# Altium PCB PCB-watch.PcbDoc (continued)
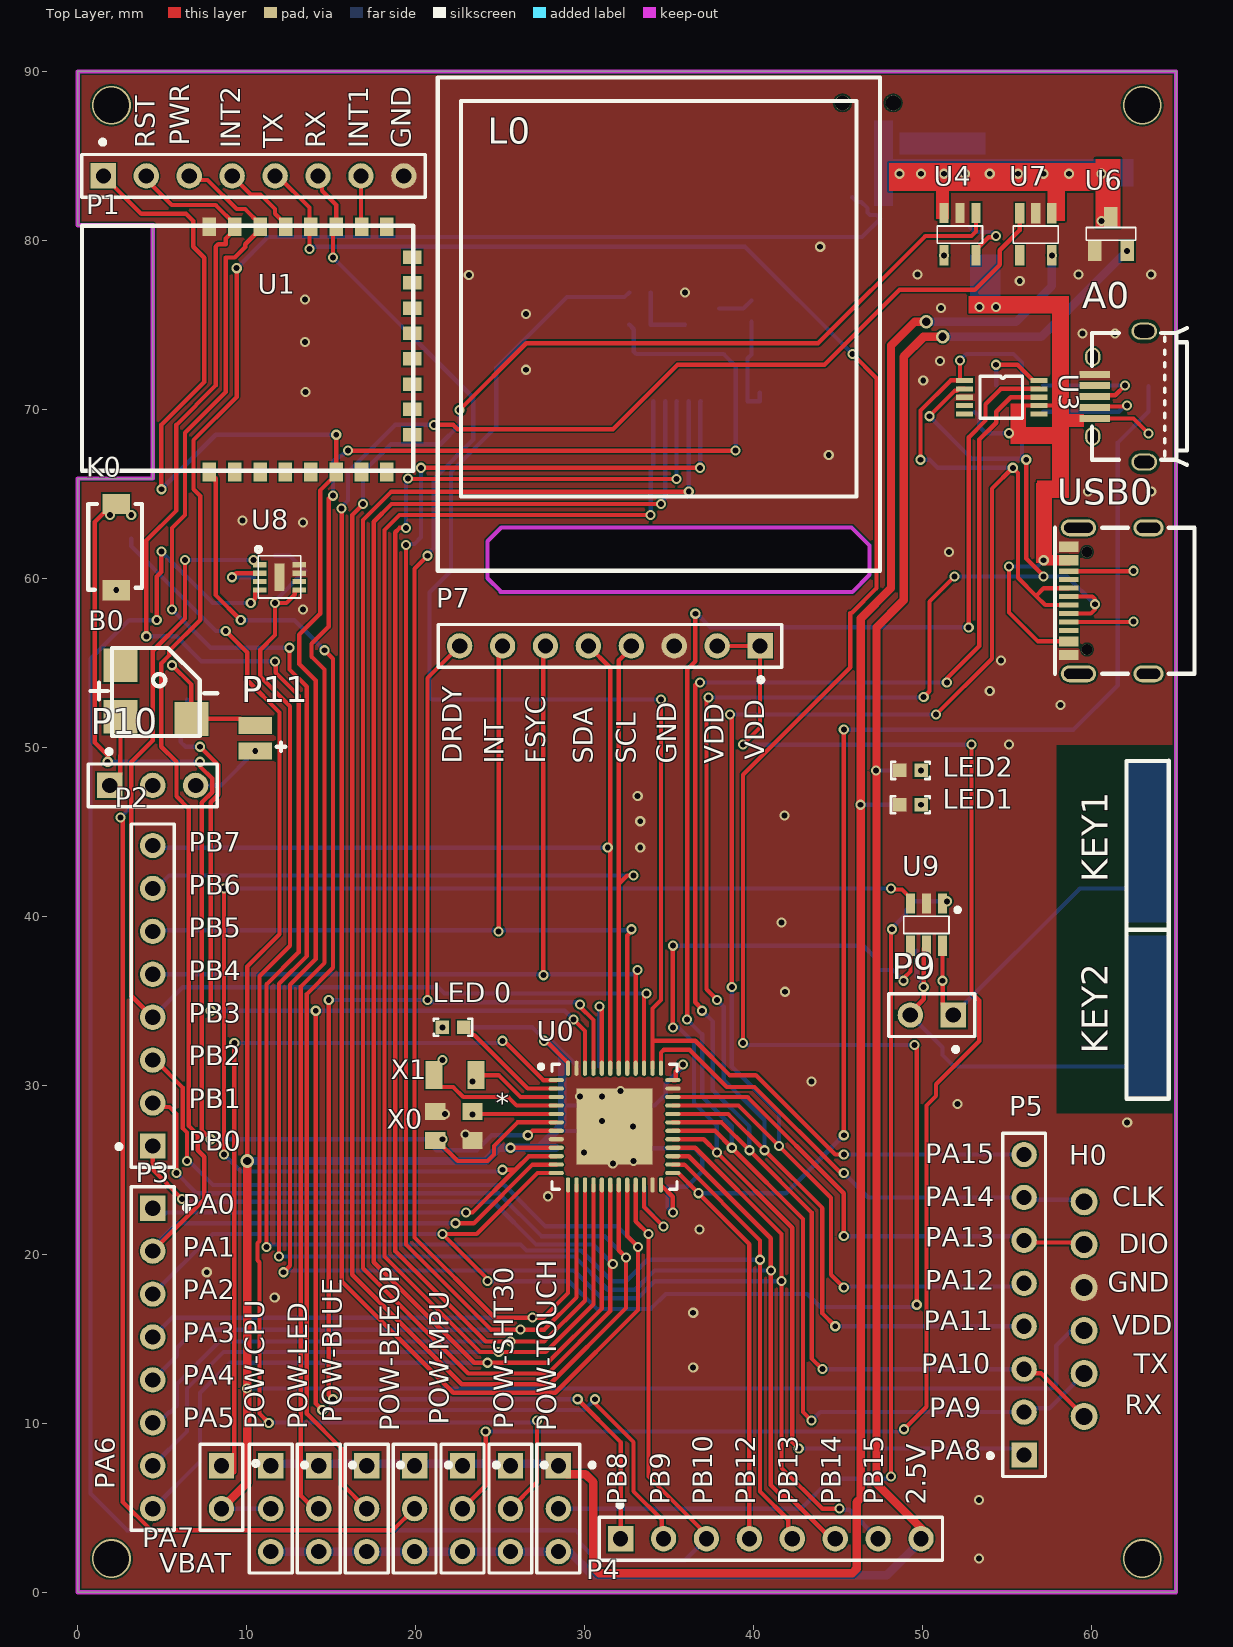
[diagram p0: Top Layer view]
## Nets (pads, with @x,y where several pads share a name; then routed paths per layer and width w, separated by ;. In a path a pad name is that pad's centre, name@x,y a point inside that pad or via, vN(x,y) a via of type N, cw(c..) or ccw(c..) an arc to the next point about the centre after c; other vN are vias at no path point) (continued)
  Bottom Layer w0.254: v1(38.608,51.943) v1(50.8,51.943) ; v1(38.711,35.814) 38.711,31.12 41.51,28.321 v1(41.51,26.416) ; v1(45.339,18.034) 45.405,18.1 55.819,18.1 P5.5 ; v1(49.883,67.022) 50.409,67.022 50.883,66.548 v1(55.34,66.548) ; v1@52.197,72.898 52.578,73.279 55.372,73.279 55.88,72.771 R9.1
EN-3.3: P2.3 U0.20 U7.3 | length 161.1
  Top Layer w0.254: P2.3 4.597,31.496 6.213,29.88 6.213,27.472 6.477,27.209 v1(6.477,25.527) ; v1(15.621,64.135) 15.621,59.563 15.621,18.415 22.225,11.811 28.259,11.811 33.156,16.708 v1(33.156,20.447) 32.521,21.082 U0.20 ; v1(21.082,69.088) 22.225,69.088 22.479,68.834 31.686,68.834 35.496,72.644 44.196,72.644 48.641,77.089 53.096,77.089 54.564,78.557 54.564,79.421 55.753,80.611 U7.3
  Bottom Layer w0.254: v1(6.477,25.527) 6.581,25.527 8.005,24.103 25.246,24.103 27.69,21.658 31.945,21.658 v1(33.156,20.447) ; v1(15.621,64.135) 15.621,64.229 16.002,64.61 16.002,66.294 18.796,69.088 v1(21.082,69.088)
GND: A0.5 C1.1 C2.1 C3.1 C4.1 C5.1 C6.1 C7.1 C8.1 C9.1 C10.1 C11.2 C12.1 C13.1 C14.1 C15.1 C16.1 C17.1 C18.1 C19.1 C20.1 H0.4 K0.2 L0.1 L0.5 L0.6 L0.12 LED1.2 LED2.2 P1.8 P7.3 P8.2 R2.2 R11.1 R13.2 R15.2 R16.1 R18.1 R111.1 R222.1 U0.8 U0.23 U0.35 U0.47 U0.49 U1.24 U2.2 U3.3 U4.2 U5.2 U6.1 U7.2 U8.7 U8.8 U8.9 U9.2 USB0.A1B12 USB0.B1A12 X0.2
  other v1: 53.34,2 53.34,5.471 36.426,13.312 36.426,16.544 11.661,17.456 7.643,18.942 36.801,21.477 27.83,23.437 31.67,25.371 32.893,25.527 29.972,26.035 22.95,27.105 32.859,27.563 62.108,27.813 31.021,27.901 21.742,28.313 52.07,28.901 29.718,29.337 31.021,29.337 32.131,29.678 43.434,30.225 41.87,35.544 41.656,39.651 33.293,44.069 33.293,45.63 41.82,45.974 33.143,47.117 55.118,50.165 58.166,52.506 53.975,53.34 54.634,55.153 13.339,58.166 2.286,59.309 51.562,61.566 13.339,63.309 9.756,63.428 59.779,65.138 63.529,65.138 44.45,67.31 13.485,71.03 50.038,71.723 26.543,72.352 51.031,72.858 13.462,74.001 59.474,74.487 61.398,74.487 26.543,75.655 51.088,76.001 13.462,76.501 35.941,76.925 55.753,77.597 23.149,77.95 49.709,77.978 59.234,77.978 63.529,77.978 43.942,79.629
key-1: P3.1 U0.10 U9.3 | length 99.4
  Top Layer w0.254: v1(8.658,25.908) v1(8.658,41.656) ; v1(22.987,22.479) 23.368,22.479 25.9,25.011 ; v1(25.146,25.011) 25.9,25.011 ; U0.10 26.702,25.813 25.9,25.011 ; v1(48.133,41.656) 48.199,41.59 48.783,41.59 49.281,41.092 U9.3
  Bottom Layer w0.254: P3.1@5.04,22.265 5.254,22.479 v1(22.987,22.479) ; v1(8.658,25.908) 9.666,24.9 25.035,24.9 v1(25.146,25.011) ; v1(8.658,41.656) v1(48.133,41.656)
key-2: P5.1 U0.29 U9.4 | length 66.5
  Top Layer w0.254: U0.29 37.051,26.813 v1(37.829,26.035) 42.291,21.573 42.291,8.89 v1(42.672,8.509) ; v1(35.221,33.434) v1(35.221,38.267) ; v1(48.879,36.195) 48.879,36.343 49.281,36.745 U9.4
  Bottom Layer w0.254: v1(35.221,33.434) 35.551,33.434 36.473,32.512 36.473,28.956 37.829,27.6 v1(37.829,26.035) ; v1(35.221,38.267) 46.49,38.267 47.244,37.513 47.244,36.979 47.393,36.83 48.244,36.83 v1(48.879,36.195) ; v1(42.672,8.509) 55.626,8.509 P5.1
LCD_BLK: P5.8 R7.2 U0.38 | length 91.4
  Top Layer w0.254: U0.38 34.021,32.639 ; v1@34.544,52.832 34.521,52.809 34.521,35.052 34.021,34.552 34.021,32.639 ; v1(45.339,25.908) 44.831,25.908 40.132,30.607 38.584,30.607 36.552,32.639 34.021,32.639
  Bottom Layer w0.254: R7.2 32.366,76.652 28.956,76.652 24.765,72.461 24.765,68.961 22.098,66.294 22.098,60.452 20.828,59.182 20.828,52.981 20.977,52.832 v1(34.521,52.832) ; v1(45.339,25.908) P5.8
LCD_CS: L0.8 P2.1 U0.18 | length 126.7
  Top Layer w0.254: P2.1 4.445,25.019 v1(6.183,23.28) ; U0.18 31.521,16.645 27.83,12.954 23.114,12.954 16.891,19.177 16.891,61.087 16.891,63.463 18.565,65.138 v1(36.163,65.138)
  Bottom Layer w0.254: v1(6.183,23.28) 6.35,23.114 24.59,23.114 27.119,20.585 30.516,20.585 v1(31.67,19.431) ; v1(36.163,65.138) L0.8@36.163,70.485
LCD_DC: L0.7 P3.5 U0.14 | length 109.9
  Top Layer w0.254: v1(19.431,61.976) 19.431,20.581 24.463,15.549 v1(26.208,15.549) 27.614,15.549 29.521,17.456 U0.14 ; v1(20.32,66.548) v1(36.83,66.548)
  Bottom Layer w0.254: P3.5 5.877,14.005 5.877,14.478 6.947,15.549 v1(26.208,15.549) ; v1(19.431,61.976) 19.497,62.042 19.925,62.042 20.32,62.437 v1(20.32,66.548) ; v1(36.83,66.548) 36.851,66.569 36.851,70.464 L0.7@36.872,70.485
LCD_RES: L0.11 P3.7 U0.16 | length 113.6
  Top Layer w0.254: U0.16 30.521,17.049 27.696,14.224 v1(24.916,14.224) 23.814,14.224 18.161,19.877 18.161,61.341 18.161,62.865 19.05,63.754 v1(33.909,63.754)
  Bottom Layer w0.254: P3.7 6.477,9.525 6.477,12.065 8.636,14.224 v1(24.916,14.224) ; v1(33.909,63.754) 33.909,66.402 34.065,66.558 L0.11@34.065,70.485
LCD_SCL: L0.9 P3.6 U0.15 | length 112
  Top Layer w0.254: v1(19.431,62.992) 19.05,62.992 18.796,62.738 18.796,60.071 18.796,20.193 24.147,14.842 v1(25.612,14.842) 27.607,14.842 30.021,17.256 U0.15 ; v1(19.558,65.913) 19.582,65.889 v1(35.433,65.889)
  Bottom Layer w0.254: P3.6 4.782,10.033 5.409,10.66 5.488,10.66 5.877,11.049 5.877,12.338 8.38,14.842 v1(25.612,14.842) ; v1(19.431,62.992) 19.431,65.786 v1(19.558,65.913) ; v1(35.433,65.889) 35.443,65.9 35.443,70.475 L0.9@35.454,70.485
LCD_SDA: L0.10 P3.8 U0.17 | length 117.8
  Top Layer w0.254: U0.17 31.021,16.797 27.813,13.589 v1(24.257,13.589) 23.473,13.589 17.526,19.536 17.526,61.087 17.526,63.356 18.579,64.409 34.501,64.409 v1@34.521,64.389
  Bottom Layer w0.254: P3.8 7.239,7.747 7.239,11.811 9.017,13.589 v1(24.257,13.589) ; v1(34.521,64.409) 34.521,64.503 34.765,64.747 L0.10@34.765,70.485
LED: "LED 0.2" U0.2 | length 7
  Top Layer w0.254: 22.856,33.528 23.401,32.983 23.469,32.983 26.639,29.813 U0.2
LEDK: L0.2 L0.3 R8.1 | length 6
  Bottom Layer w0.254: R8.1 39.878,73.258 39.646,73.026 39.646,70.485 40.317,70.485 L0.2@40.365,70.533 ; L0.2@40.365,70.485 L0.2@40.365,70.533 ; L0.2@40.365,70.993 L0.2@40.365,70.533
MPU_DRDY: P4.1 P7.8 U0.45 | length 88.3
  Top Layer w0.254: v1(14.859,35.052) 14.859,11.684 v1(15.113,11.43) ; v1(20.701,35.052) 20.701,54.102 P7.8 ; v1(29.591,11.43) 32.131,8.89 P4.1 ; v1(29.718,34.798) 29.718,34.671 30.521,33.868 U0.45
  Bottom Layer w0.254: v1(14.859,35.052) v1(20.701,35.052) 20.828,34.925 29.591,34.925 v1(29.718,34.798) ; v1(15.113,11.43) v1(29.591,11.43)
MPU_FSYC: P2.5 P7.6 U0.40 | length 54.2
  Top Layer w0.254: v1(27.559,36.522) 27.559,55.88 P7.6 ; U0.40 33.021,36.629 33.128,36.736 v1(33.128,36.83)
  Bottom Layer w0.254: P2.5 32.874,36.576 v1(33.128,36.83)
MPU_INT: P2.6 P7.7 U0.41 | length 53.7
  Top Layer w0.254: v1(24.914,39.116) 24.914,55.775 P7.7 ; U0.41 32.521,38.871 v1@32.893,39.243
  Bottom Layer w0.254: P2.6 4.508,39.179 32.703,39.179 v1(32.766,39.243)
MPU_SCL: P2.7 P7.4 U0.42 | length 55.1
  Top Layer w0.254: U0.42 32.021,41.918 ; P7.4 32.766,55.898 32.021,55.153 32.021,41.918 ; v1(32.893,42.418) 32.521,42.418 32.021,41.918
  Bottom Layer w0.254: P2.7 4.653,41.656 5.415,42.418 v1(32.893,42.418)
MPU_SDA: P2.8 P7.5 U0.43 | length 52.5
  Top Layer w0.254: P7.5 31.521,54.712 U0.43
  Bottom Layer w0.254: P2.8 4.572,44.069 v1(31.369,44.069)
NetA0_2: A0.2 R10.2 | length 7
  Top Layer w0.254: A0.2@60.234,70.119 60.29,70.175 62.047,70.175 v1(62.103,70.231)
  Bottom Layer w0.254: R10.2 61.611,69.866 61.976,70.231 v1(62.103,70.231)
NetA0_3: A0.3 R9.2 | length 6.8
  Top Layer w0.254: A0.3@60.234,70.769 60.307,70.842 61.398,70.842 v1(61.976,71.42)
  Bottom Layer w0.254: R9.2 v1(61.976,71.42)
NetB0_1: B0.1 P10.1 | length 4.3
  Top Layer w0.254: P10.1 2.528,48.375 2.528,49.518 2.54,49.53 B0.1
NetB0_2: B0.2 P11.2 U5.3 | length 7.6
  Top Layer w0.254: v1(5.588,54.864) 6.731,53.721 B0.2 9.632,51.689 10.013,51.308 P11.2
NetC12_2: C12.2 U3.10 | length 4.1
  Top Layer w0.254: v1(54.356,72.644) 55.625,72.644 56.546,71.723 U3.10
  Bottom Layer w0.254: C12.2 v1(54.356,72.644)
NetC18_2: C18.2 P9.1 U9.6 | length 20.4
  Top Layer w0.254: U9.6 v1(51.181,36.195) 51.193,36.183 51.193,34.786 P9.1
  Bottom Layer w0.254: v1@51.181,36.416 C18.2 ; P9.1 59.309,41.656 63.155,41.656
NetC19_2: C19.2 P9.2 U9.5 | length 22.5
  Top Layer w0.254: P9.2@49.276,33.909 P9.2 49.276,34.313 50.067,35.104 v1(50.067,35.814) 50.067,38.103 U9.5
  Bottom Layer w0.254: P9.2 51.181,32.258 51.181,31.798 51.859,31.12 63.119,31.12 ; C19.2 49.657,36.416 50.067,36.005 v1(50.067,35.814)
NetLED1_1: LED1.1 R21.1
  other v1: 49.911,46.609
NetLED2_1: LED2.1 R22.1
  other v1: 49.916,48.641
"NetLED 0_1": "LED 0.1" R3.1
  other v1: 21.586,33.434
NetP8_1: P8.1 SW0.3
NetP10_3: P10.3 P11.1 | length 4.4
  Bottom Layer w0.254: P10.3 8.481,47.752 v1(10.513,49.784)
NetR6_2: R6.2 R7.1 U2.1 | length 3.9
  Bottom Layer w0.254: R7.1 R6.2 U2.1
NetR8_2: R8.2 U2.3 | length 2.1
  Bottom Layer w0.254: U2.3 39.394,75.97 R8.2
NetR11_2: R11.2 U4.5 | length 3.6
  Top Layer w0.254: U4.5 53.163,79.446 53.915,80.198 54.29,80.198 v1(54.356,80.264)
  Bottom Layer w0.254: R11.2 53.086,80.499 54.121,80.499 v1(54.356,80.264)
NetR12_2: R12.2 U4.4
  other v1: 51.263,79.121
NetR18_2: R18.2 U8.2 | length 3
  Top Layer w0.254: v1(9.144,60.071) 9.382,60.309 U8.2
  Bottom Layer w0.254: v1(9.144,60.071) R18.2
NetR111_2: R111.2 USB0.A5 | length 3.8
  Top Layer w0.254: USB0.A5 62.455,57.426 v1(62.484,57.455)
NetR222_2: R222.2 USB0.B5 | length 3.8
  Top Layer w0.254: USB0.B5 62.458,60.426 v1(62.484,60.452)
NetU0_1: U0.1 VBAT.1 | length 45.5
  Top Layer w0.254: 9.271,7.112 v1(9.271,32.512) ; v1(25.146,32.639) 25.231,32.639 27.557,30.313 U0.1
  Bottom Layer w0.254: v1(9.271,32.512) 25.019,32.512 v1(25.146,32.639)
NRST: C1.2 K0.1 R1.1 U0.7 | length 66
  Top Layer w0.254: v1(1.778,49.149) 1.778,49.53 1.016,50.292 1.016,63.339 2.086,64.409 K0.1 ; v1(7.239,49.149) 7.239,48.88 7.962,48.157 7.962,47.347 7.347,46.732 7.347,27.34 v1(7.874,26.813) ; v1(26.639,27.051) 26.654,27.051 26.916,27.313 U0.7
  Bottom Layer w0.254: v1(1.778,49.149) v1(7.239,49.149) ; v1(7.874,26.813) 20.58,26.813 21.223,26.17 23.63,26.17 24.511,27.051 v1(26.639,27.051)
  other v1: 1.905,63.754 3.175,63.754
PA2: P1.5 P3.3 U0.12 U1.20 | length 168
  Top Layer w0.254: P1.5 11.843,83.82 13.716,81.947 v1(13.716,79.502) ; v1(24.257,18.415) 24.257,18.538 v1(21.586,21.209) 23.614,21.209 27.218,24.813 U0.12 ; v1(39.37,32.512) 39.37,48.387 45.72,54.737 45.72,57.956 45.805,57.956 47.275,59.426 47.275,71.851 v1(45.847,73.279) 45.783,73.343 v1@45.72,73.343 ; v1(49.53,32.385) 49.657,32.258 v1(49.657,17.018)
  Bottom Layer w0.254: P3.3 8.001,21.209 v1(21.586,21.209) ; v1@13.806,79.629 39.497,79.629 v1(45.847,73.279) ; v1(24.257,18.415) 29.083,18.415 30.734,16.764 33.909,16.764 34.798,17.653 43.18,17.653 43.942,16.891 49.53,16.891 v1(49.657,17.018) ; v1(39.37,32.512) 39.497,32.385 v1(49.53,32.385)
PA3: P1.6 P3.4 U0.13 U1.19 | length 109.2
  Top Layer w0.254: P1.6 14.462,83.582 14.462,82.947 15.306,82.103 U1.19 15.113,80.62 v1(15.113,78.994) ; v1(20.701,61.341) 19.939,60.579 19.939,21.005 24.688,16.256 v1(26.916,16.256) 27.559,16.256 29.021,17.718 U0.13
  Bottom Layer w0.254: P3.4 5.588,16.256 v1(26.916,16.256) ; v1(15.113,78.994) 23.415,70.692 23.415,68.223 21.082,65.889 21.082,61.816 20.701,61.435 v1(20.701,61.341)
PA9: H0.2 P5.2 U0.30 U3.9 | length 105.9
  Top Layer w0.254: U0.30 37.711,27.313 v1(38.711,26.313) 42.926,22.098 42.926,10.668 v1(43.434,10.16) ; v1(36.068,33.909) 36.068,54.61 36.552,55.094 v1(36.552,57.912) ; v1(52.729,57.106) 52.729,68.35 53.721,69.342 53.721,70.31 54.634,71.223 U3.9
  Bottom Layer w0.254: v1(36.068,33.909) 36.957,33.02 36.957,29.337 38.711,27.583 v1(38.711,26.313) ; v1(36.552,57.912) 36.646,57.912 37.452,57.106 v1(52.729,57.106) ; v1(43.434,10.16) 43.942,10.668 P5.2 56.232,10.893 57.502,10.893 H0.2
PA10: H0.1 P5.3 U0.31 U3.8 | length 100.4
  Top Layer w0.254: U0.31 38.1,27.813 v1(39.751,26.162) 43.434,22.479 43.434,13.843 v1(44.069,13.208) ; v1@36.703,53.848 36.552,53.697 36.552,34.916 36.957,34.511 v1(36.957,34.417) ; v1(51.435,53.848) 51.435,54.073 53.359,55.997 53.359,68.218 54.356,69.215 54.356,69.866 55.213,70.723 U3.8 ; P5.3 56.245,12.97 57.007,12.97 H0.1
  Bottom Layer w0.254: v1(36.83,53.848) v1(51.435,53.848) ; v1(36.957,34.417) 37.592,33.782 37.592,29.718 39.751,27.559 v1(39.751,26.162) ; v1(44.069,13.208) P5.3
PA13: H0.5 P5.6 U0.34 | length 29.4
  Top Layer w0.254: U0.34 39.648,29.313 45.339,23.622 v1(45.339,21.082) ; P5.6 56.134,20.701 59.436,20.701 H0.5
  Bottom Layer w0.254: v1(45.339,21.082) 55.753,21.082 P5.6
PA14: H0.6 P5.7 U0.37 | length 29.8
  Top Layer w0.254: U0.37 34.521,31.939 34.692,32.11 36.216,32.11 38.417,29.909 40.06,29.909 45.156,24.813 v1(45.339,24.813)
  Bottom Layer w0.254: v1(45.339,24.813) 46.784,23.368 P5.7 56.134,23.241 59.436,23.241 H0.6
PB1: P2.2 U0.19 U4.1 | length 153.6
  Top Layer w0.254: P2.2 4.683,28.718 5.437,28.718 5.842,28.313 v1(5.842,24.813) ; v1@16.891,64.389 16.256,63.754 16.256,18.796 22.733,12.319 27.94,12.319 32.449,16.828 v1(32.449,19.812) 32.021,20.24 U0.19 ; v1(22.606,69.977) 26.543,73.914 43.815,73.914 50.165,80.264 52.9,80.264 53.163,80.527 U4.1
  Bottom Layer w0.254: v1(5.842,24.813) 7.033,23.622 24.909,23.622 27.449,21.082 31.179,21.082 v1(32.449,19.812) ; v1(16.891,64.409) 16.891,66.294 18.542,67.945 21.463,67.945 22.606,69.088 v1(22.606,69.977)
PB3: P2.4 R20.2 U0.39 U8.1 | length 67.5
  Top Layer w0.254: P2.4 3.175,35.306 3.175,49.137 4.445,50.407 4.445,55.723 6.357,57.635 v1(6.357,61.087) ; U0.39 33.521,35.299 v1(33.655,35.433)
  Bottom Layer w0.254: P2.4 6.223,35.814 21.332,35.814 21.713,35.433 v1(33.655,35.433) ; v1(6.357,61.087) v1(10.414,61.087)
PB10: P4.3 R19.2 U0.21 U8.4 | length 127.9
  Top Layer w0.254: v1(4.683,57.531) 4.683,60.115 4.953,60.385 v1(4.953,61.595) ; v1(10.245,58.547) 10.49,58.792 10.49,59.286 10.513,59.309 U8.4 ; U0.21 33.021,21.963 33.775,21.209 v1(33.782,21.209) 33.782,6.858 37.211,3.429 P4.3
  Bottom Layer w0.254: v1(4.683,57.531) 3.048,57.531 0.762,55.245 0.762,5.842 2.921,3.683 29.464,3.683 29.718,3.429 29.718,2.921 30.734,1.905 35.941,1.905 P4.3 ; v1(4.953,61.595) 8.001,58.547 v1(10.245,58.547) R19.2
PB12: P4.4 R14.2 R15.1 U0.25 | length 93.5
  Top Layer w0.254: U0.25 35.542,24.813 v1(36.733,23.622) 39.751,20.604 P4.4 ; v1(45.339,27.051) v1(45.339,51.054)
  Bottom Layer w0.254: v1(36.733,23.622) 41.91,23.622 v1(45.339,27.051) ; v1(45.339,51.054) 58.928,51.054 61.557,53.683 61.557,68.05 R14.2 R15.1
PB13: P1.2 P4.5 U0.26 U1.23 | length 133.4
  Top Layer w0.254: v1(4.064,56.576) 4.064,62.245 5.842,64.023 5.842,69.088 8.167,71.413 8.167,79.628 8.315,79.777 8.763,79.777 8.763,80.12 9.306,80.664 U1.23 9.306,80.964 8.167,82.103 5.573,82.103 4.302,83.374 P1.2@4.302,83.582 ; v1(11.176,20.447) 11.176,35.978 13.078,37.88 13.078,53.065 11.73,54.413 11.73,55.048 v1(11.684,55.094) ; U0.26 35.223,25.311 35.903,25.311 40.386,20.828 v1(40.386,19.685) 40.386,5.969 42.053,4.302 42.053,3.413 P4.5
  Bottom Layer w0.254: v1(4.064,56.576) 5.847,56.576 7.329,55.094 v1(11.684,55.094) ; v1(11.176,20.447) 11.31,20.581 26.208,20.581 26.558,20.231 29.807,20.231 31.623,18.415 32.449,18.415 33.719,19.685 v1(40.386,19.685)
PB14: P1.3 P4.6 U0.27 U1.22 | length 133.6
  Top Layer w0.254: v1(5.588,58.166) 5.588,62.985 6.357,63.754 6.357,68.624 8.763,71.03 8.763,78.994 9.299,78.994 9.92,79.614 9.92,79.777 10.806,80.664 U1.22 10.806,80.964 9.913,81.857 9.412,81.857 7.688,83.582 6.842,83.582 P1.3 ; v1(11.917,19.877) 11.917,36.015 13.564,37.663 13.564,53.589 12.543,54.61 v1(12.543,55.898) ; U0.27 36.163,25.813 41.021,20.955 v1(41.021,19.05) 41.021,6.35 41.656,5.715 42.054,5.715 44.594,3.175 P4.6
  Bottom Layer w0.254: v1(5.588,58.166) 7.856,55.898 v1(12.543,55.898) ; v1(11.917,19.877) 29.399,19.877 31.369,17.907 33.001,17.907 34.144,19.05 v1(41.021,19.05)
PB15: P1.1 P4.7 U0.28 U1.6 | length 147.5
  Top Layer w0.254: P1.1 3.758,81.586 6.41,81.586 6.842,81.153 6.842,79.63 7.493,78.979 7.493,71.628 4.953,69.088 v1(4.953,65.278) ; v1(12.192,18.942) 12.573,19.323 12.573,35.962 14.091,37.48 14.091,53.96 13.113,54.938 13.113,56.674 14.351,57.912 14.351,65.204 15.298,66.151 U1.6 15.298,68.493 v1(15.306,68.501) ; U0.28 36.552,26.313 41.656,21.209 v1(41.656,18.415) 41.656,7.366 44.069,4.953 v1(45.085,4.953)
  Bottom Layer w0.254: v1(4.953,65.278) 8.176,68.501 v1(15.306,68.501) ; v1@12.065,19.05 29.37,19.05 31.021,17.399 33.128,17.399 34.144,18.415 v1(41.656,18.415) ; v1(45.085,4.953) 45.151,4.887 45.659,4.887 P4.7
PC14: C3.2 U0.3 X1.1 | length 5.3
  Top Layer w0.254: X1.1 24.914,30.607 26.208,29.313 U0.3
  other v1: 23.364,30.226
PC15: C4.2 U0.4 X1.2 | length 8.2
  Top Layer w0.254: X1.2 21.082,30.282 21.455,29.909 22.221,29.909 22.817,29.313 25.477,29.313 25.977,28.813 U0.4
  other v1: 21.586,31.496
PH0: C5.2 U0.5 X0.1 | length 5
  Top Layer w0.254: X0.1 23.503,28.313 U0.5
  other v1: 23.364,28.267
PH1: C6.2 U0.6 X0.3 | length 8.9
  Top Layer w0.254: X0.3 21.268,26.748 22.489,25.527 24.257,25.527 24.638,25.908 24.638,26.416 26.035,27.813 U0.6
  other v1: 21.586,26.813
UBL_INT1: P1.7 U1.18 | length 3
  Top Layer w0.254: P1.7 16.764,80.856 U1.18
UBL_INT2: P1.4 U1.21 | length 4.7
  Top Layer w0.254: P1.4 10.245,82.719 10.822,82.719 11.684,81.857 11.684,81.586 12.306,80.964 U1.21
V2.5: C15.2 P4.8 POW-BEEOP.3 POW-BLUE.3 POW-CPU.3 POW-LED.3 POW-MPU.3 POW-SHT30.3 POW-TOUCH.3 R22.2 U6.2 | length 129
  Top Layer w0.5: P4.8 49.911,3.81 47.275,6.446 47.275,57.106 48.879,58.71 48.879,73.116 50.038,74.275 50.038,74.295 v3(51.181,74.295)
  Bottom Layer w0.254: v1(47.244,48.641) R22.2
  Bottom Layer w0.5: POW-CPU.3 POW-LED.3 POW-BLUE.3 POW-BEEOP.3 POW-MPU.3 POW-SHT30.3 POW-TOUCH.3 29.083,2.413 30.48,1.016 47.879,1.016 49.911,3.048 P4.8 ; v3(51.181,74.295) 57.023,74.295 v1(62.103,79.375)
VCAP1: C2.2 U0.22 | length 5.7
  Top Layer w0.254: U0.22 33.521,22.808 v1(34.671,21.658)
  Bottom Layer w0.254: C2.2 33.528,22.801 v1(34.671,21.658)
VDD-BEEP: P10.2 POW-BEEOP.2 | length 61.7
  Top Layer w0.254: v1@2.54,45.847 2.667,45.72 2.667,5.349 4.333,3.683 18.669,3.683 POW-BEEOP.2
  Bottom Layer w0.254: v1(2.528,45.847) 2.534,45.847 4.439,47.752 P10.2
VDD-BLUE: POW-BLUE.2 U1.1 | length 68.3
  Top Layer w0.254: U1.1 8.167,65.933 8.167,59.016 v1(9.652,57.531) ; v1(14.605,55.753) 15.113,55.245 15.113,36.962 13.564,35.413 13.564,10.566 15.621,8.509 15.621,6.435 POW-BLUE.2
  Bottom Layer w0.254: v1(9.652,57.531) 12.827,57.531 v1(14.605,55.753)
VDD-LED: L0.4 POW-LED.2 R6.1 | length 101.2
  Top Layer w0.254: POW-LED.2 13.97,4.953 13.21,5.713 13.21,35.855 14.605,37.25 14.605,54.61 13.843,55.372 13.843,56.134 14.859,57.15 14.859,64.73 15.008,64.878 15.094,64.878 v1(15.113,64.897) ; v1(16.002,67.564) v1(38.937,67.564)
  Bottom Layer w0.254: v1(15.113,64.897) 15.113,66.929 v1(16.002,67.564) ; R6.1 32.912,74.747 32.912,73.428 33.061,73.279 38.227,73.279 38.937,72.569 v1(38.937,67.564)
VDD-MCU: C7.2 C8.2 C9.2 C10.2 H0.3 POW-CPU.2 R1.2 R3.2 U0.9 U0.24 U0.36 U0.48 VBAT.2 | length 182
  Top Layer w0.254: v1(8.763,56.896) 10.033,55.626 10.033,53.975 11.944,52.064 11.944,38.95 10.033,37.038 v3(10.033,25.527) ; v1(25.612,26.313) U0.9 ; v1(27.607,32.639) 27.716,32.639 29.021,31.334 U0.48 ; U0.24 35.221,23.413 v1(35.221,22.479) ; U0.36 35.393,30.313 35.395,30.315 35.395,30.823 v1(35.814,31.242)
  Top Layer w0.5: VBAT.2 10.033,6.477 v1(10.033,12.065) v3(10.033,25.527)
  Bottom Layer w0.254: R1.2 3.175,61.915 5.796,59.294 8.194,56.896 v1(8.763,56.896) ; VBAT.2 POW-CPU.2 ; v1(10.033,12.065) 57.658,12.065 57.912,12.319 57.912,14.605 H0.3@59.182,15.875 ; R3.2 26.916,33.434 27.181,33.169 27.181,33.158 27.607,32.733 v1(27.607,32.639) ; 27.903,32.573 28.133,32.573 C10.2 ; C9.2@28.297,26.313 C9.2 ; 28.448,27.456 28.599,27.305 30.353,27.305 31.369,26.289 36.473,26.289 36.957,25.805 36.957,24.892 36.068,24.003 C7.2 34.925,22.775 v1(35.221,22.479) ; 28.678,28.956 28.824,28.81 34.144,28.81 34.798,29.464 C8.2 35.748,31.049 35.748,31.176 v1(35.814,31.242)
  Bottom Layer w0.5: v3(10.033,25.527) 24.13,25.527 24.916,26.313 v1(25.612,26.313) 27.305,26.313 ; 27.903,32.573 28.678,31.798 28.678,28.956 28.678,27.686 28.448,27.456 27.305,26.313 ; C9.2@28.297,26.313 27.305,26.313
VDD-MPU: P7.1 P7.2 POW-MPU.2 | length 94.5
  Top Layer w0.254: POW-MPU.2 24.147,6.325 v1(24.147,9.525) ; P7.2 P7.1 40.386,51.181 v1(39.37,50.165) ; v1(48.895,9.652) 50.231,10.988 50.231,28.811 50.8,29.38 50.8,30.064 53.359,32.623 53.359,35.026 52.9,35.485 v1(52.9,50.165)
  Bottom Layer w0.254: v1(24.147,9.525) v1@48.641,9.525 ; v1(39.37,50.165) v1(52.9,50.165)
VDD-SHT30: C20.2 POW-SHT30.2 R19.1 R20.1 U8.5 | length 79.1
  Top Layer w0.254: v1(11.31,10.033) 10.763,10.58 10.763,19.536 10.649,19.65 10.649,20.665 10.763,20.779 10.763,36.457 12.573,38.267 12.573,52.436 10.806,54.203 10.806,55.775 11.684,56.653 v1(11.684,58.547) 12.351,58.547 12.84,59.036 12.84,59.286 12.863,59.309 U8.5 ; POW-SHT30.2 27.181,6.522 v1(27.181,10.16)
  Bottom Layer w0.254: v1(11.31,10.033) 11.329,10.052 27.073,10.052 v1(27.181,10.16) ; v1(11.684,58.547) 11.684,58.674 C20.2 12.573,61.341 R20.1
VDD-TOUCH: C17.2 POW-TOUCH.2 U9.1 | length 57.1
  Top Layer w0.254: v1(48.133,6.858) 48.133,39.177 v1(48.199,39.243)
  Bottom Layer w0.254: POW-TOUCH.2 42.799,4.953 44.577,6.731 48.133,6.731 v1@48.26,6.858 ; C17.2 49.022,40.132 49.022,40.386 49.53,40.894 v1(51.435,40.894)
pads on no net: A0.4 A0.15 B0. SW0. SW0.0 SW0.1 U1.2 U1.3 U1.4 U1.5 U1.7 U1.8 U1.9 U1.10 U1.11 U1.12 U1.13 U1.14 U1.15 U1.16 U1.17 U3.4 U3.5 U3.6 U7.4 U8.3 U8.6 USB0. USB0.1 USB0.2 USB0.3 USB0.4 USB0.A8 USB0.B8
copper on no net:
  other v2: 2,2 63,2 2,88 63,88

## Polygon pours and split planes (outlines as drawn)
GND on Bottom Layer "Top Layer-No Net" (solid, pour order 11): 0,65.913 4.445,65.913 4.445,80.899 0,80.899 0,90 65,90 65,0 0,0
GND on Top Layer "Top Layer-No Net1" (solid, pour order 12): 0,65.913 4.445,65.913 4.445,80.899 0,80.899 0,90 65,90 65,0 0,0

## Keep-outs
Keep-Out Layer:
  lines w0.254: 25.019,59.202 45.847,59.202 46.863,60.218 46.863,61.949 45.8,63.012 25.066,63.012 24.257,62.203 24.257,60.345 24.257,60.011 25.019,59.249 ; 0,0 0,65.913 4.445,65.913 4.445,80.899 0,80.899 0,90 65,90 65,0 0,0

## Other copper
Top Layer:
  rectangle net 5V: 57.653,65.532 58.674,68.409
  rectangle net 5V: 56.769,64.77 58.674,65.786
  rectangle net 5V: 56.722,60.911 57.653,65.652
  rectangle net 5V: 52.729,75.692 58.42,76.708
  rectangle net 5V: 55.213,67.945 58.42,68.961
  rectangle net 5V: 55.213,67.945 56.134,70.358
  rectangle net 5V: 57.653,67.945 58.674,76.708
  rectangle net 5V: 55.34,70.119 58.42,70.358
  rectangle net 5V: 57.912,68.961 59.563,69.723
  rectangle net BAT3.7V: 60.234,80.772 61.722,84.836
  rectangle net BAT3.7V: 57.399,81.153 58.42,83.566
  rectangle net BAT3.7V: 50.8,81.28 51.562,83.947
  rectangle net BAT3.7V: 48.006,82.931 61.468,84.582
  pour cut-out: 65.024,28.321 57.912,28.321 57.912,50.165 65,50.165
Bottom Layer:
  rectangle net NetC19_2: 62.108,29.337 64.516,38.862
  rectangle net NetC18_2: 62.108,39.651 64.516,49.149
  rectangle net NetP8_1: 48.641,85.09 53.721,86.388
  rectangle net 5V: 52.813,75.819 54.61,79.161
  rectangle net BAT3.7V: 47.117,83.185 62.484,84.836
  rectangle net BAT3.7V: 47.117,82.042 48.26,87.088
  pour cut-out: 65.024,28.321 57.912,28.321 57.912,50.165 65,50.165

## Silkscreen, mask and mechanical layers (free items; w line width, h text height)
Top Overlay:
  lines w0.254: 64.567,39.21 63.541,39.21 62.067,39.21 ; 64.567,49.2 62.067,49.2 62.067,39.21 ; 64.567,49.21 64.567,29.21 62.067,29.21 62.067,39.21
  text "PWR" at 6.985,85.598 h2 r90
  text "RST" at 4.941,85.455 h2 r90
  text "INT2" at 9.996,85.455 h2 r90
  text "TX" at 12.524,85.455 h2 r90
  text "RX" at 15.052,85.455 h2 r90
  text "INT1" at 17.58,85.455 h2 r90
  text "GND" at 20.107,85.455 h2 r90
  text "VDD" at 41.021,49.276 h2 r90
  text "DRDY" at 23.11,49.022 h2 r90
  text "INT" at 25.612,49.022 h2 r90
  text "FSYC" at 28.071,49.022 h2 r90
  text "SDA" at 30.873,49.022 h2 r90
  text "SCL" at 33.401,49.022 h2 r90
  text "GND" at 35.814,49.022 h2 r90
  text "VDD" at 38.608,49.022 h2 r90
  text "PB7" at 6.588,43.434 h2
  text "KEY1" at 60.96,42.012 h1.52 r90
  text "PB6" at 6.588,40.906 h2
  text "PB5" at 6.588,38.378 h2
  text "PB4" at 6.588,35.851 h2
  text "PB3" at 6.588,33.323 h2
  text "KEY2" at 60.96,31.877 h1.52 r90
  text "PB2" at 6.588,30.795 h2
  text "PB1" at 6.588,28.267 h2
  text "PB0" at 6.588,25.74 h2
  text "PA15" at 50.165,25.011 h2
  text "PA14" at 50.165,22.479 h2
  text "CLK" at 61.214,22.479 h2
  text "PA0" at 6.207,22.012 h2
  text "PA13" at 50.165,20.066 h2
  text "DIO" at 61.595,19.685 h2
  text "PA1" at 6.207,19.485 h2
  text "PA12" at 50.165,17.526 h2
  text "GND" at 60.96,17.399 h2
  text "PA2" at 6.207,16.957 h2
  text "PA11" at 50.067,15.113 h2
  text "VDD" at 61.214,14.859 h2
  text "PA3" at 6.207,14.429 h2
  text "PA10" at 49.911,12.573 h2
  text "TX" at 62.484,12.573 h2
  text "PA4" at 6.207,11.901 h2
  text "RX" at 61.976,10.16 h2
  text "PA9" at 50.403,9.979 h2
  text "PA5" at 6.207,9.374 h2
  text "PA8" at 50.403,7.452 h2
  text "PA6" at 2.586,6.096 h2 r90
  text "PB8" at 32.893,5.191 h2 r90
  text "PB9" at 35.421,5.191 h2 r90
  text "PB10" at 37.949,5.191 h2 r90
  text "PB12" at 40.476,5.191 h2 r90
  text "PB13" at 43.004,5.191 h2 r90
  text "PB14" at 45.532,5.191 h2 r90
  text "PB15" at 48.06,5.191 h2 r90
  text "2.5V" at 50.587,5.191 h2 r90
  text "PA7" at 3.81,2.286 h2
Bottom Overlay:
  text "STAT" at 4.953,85.09 h2
  text "CLK" at 64.786,22.479 h2
  text "DIO" at 64.405,19.685 h2
  text "GND" at 65.04,17.399 h2
  text "VDD" at 64.786,14.859 h2
  text "TX" at 63.516,12.573 h2
  text "RX" at 64.024,10.16 h2

## Text inside footprints (layer, text, board x,y; h text height)
X0: Top Overlay "*" at 25.527,30.431 h2 r180